# Altium PCB PCB2.PcbDoc (part 1 of 2)
Units mil, origin at the board's own origin, x right, y up, seen from the top; angles counter-clockwise.
Board outline 2933.07 x 1782.28 mil, 4 copper layers (Top Layer, GND, POW, Bottom Layer), stack 23.756 mil thick; 122 components, 169 nets, 601 pads, 330 vias.
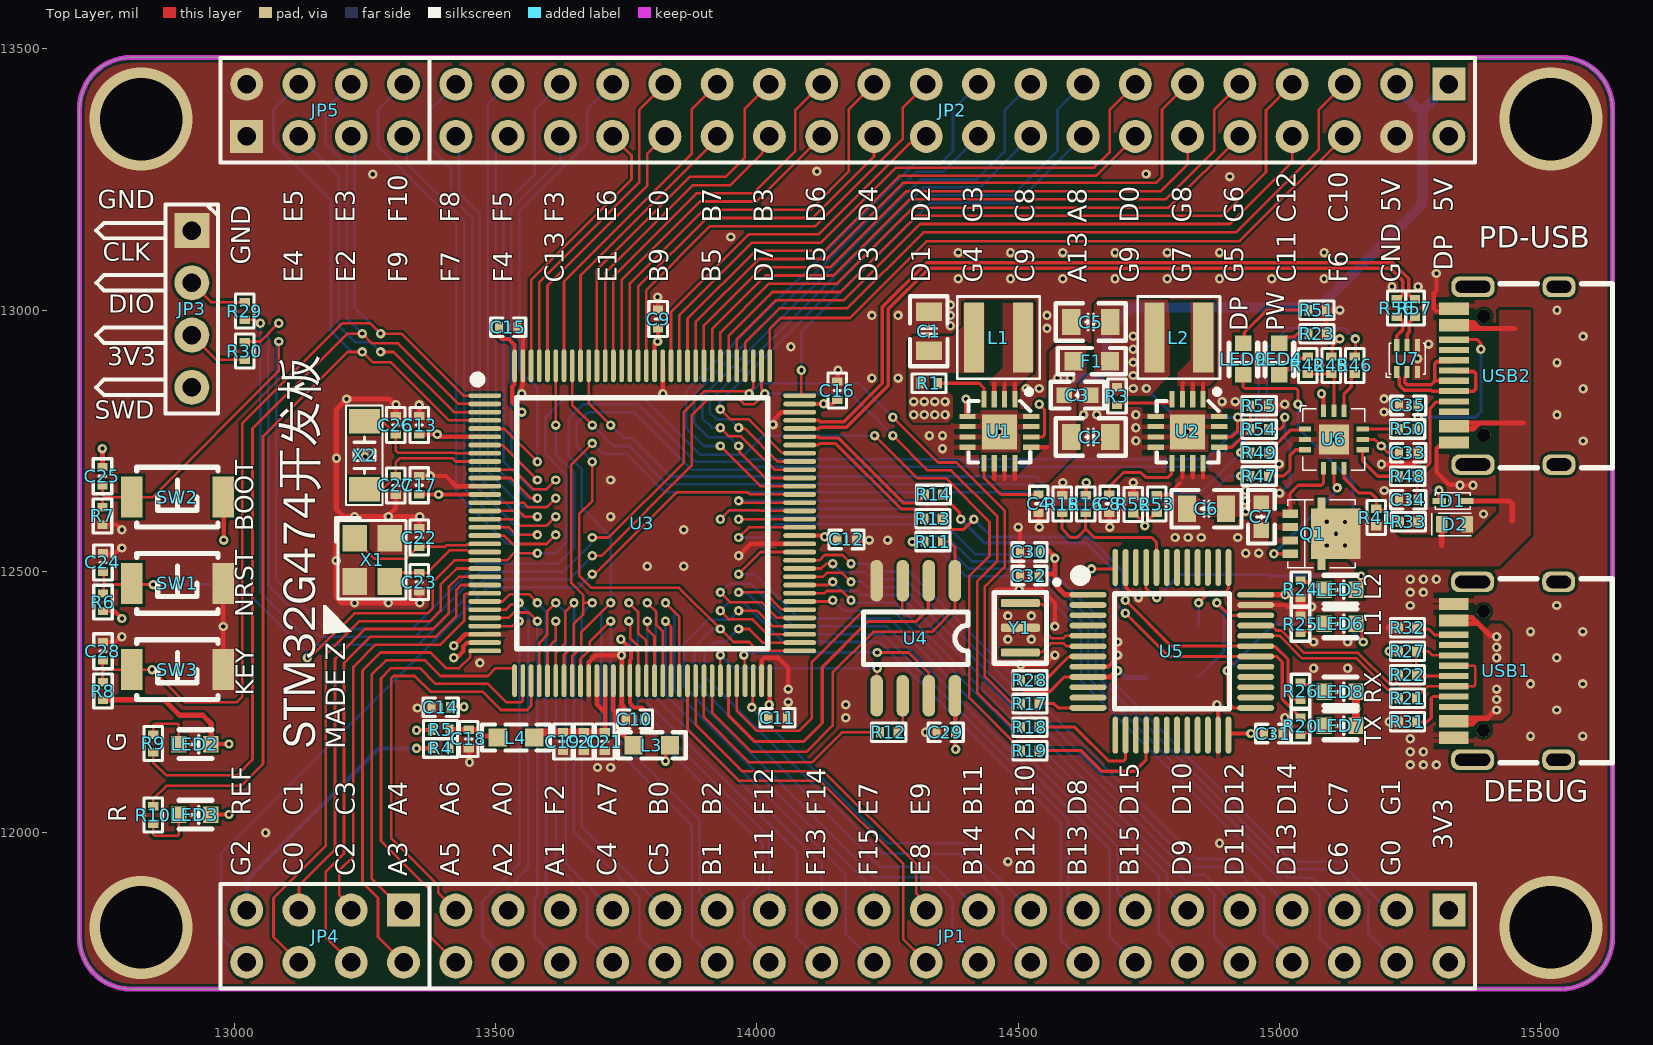
[diagram p0: Top Layer view]
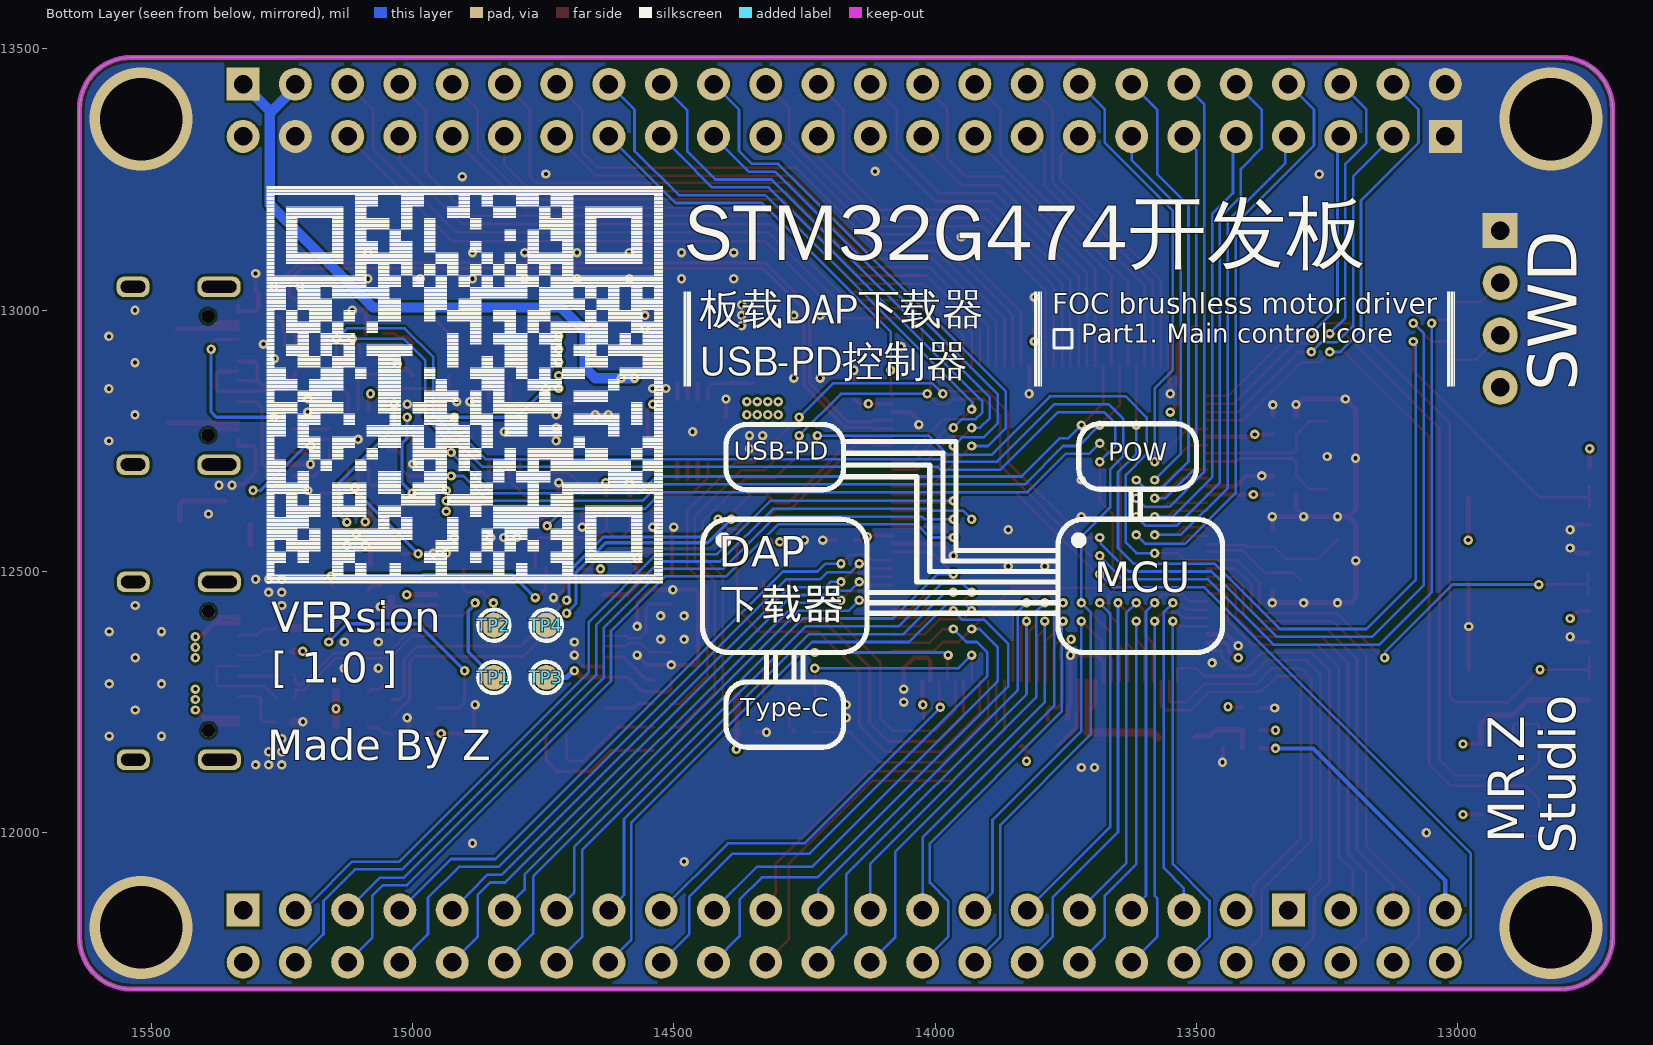
[diagram p1: Bottom Layer view, seen from below]
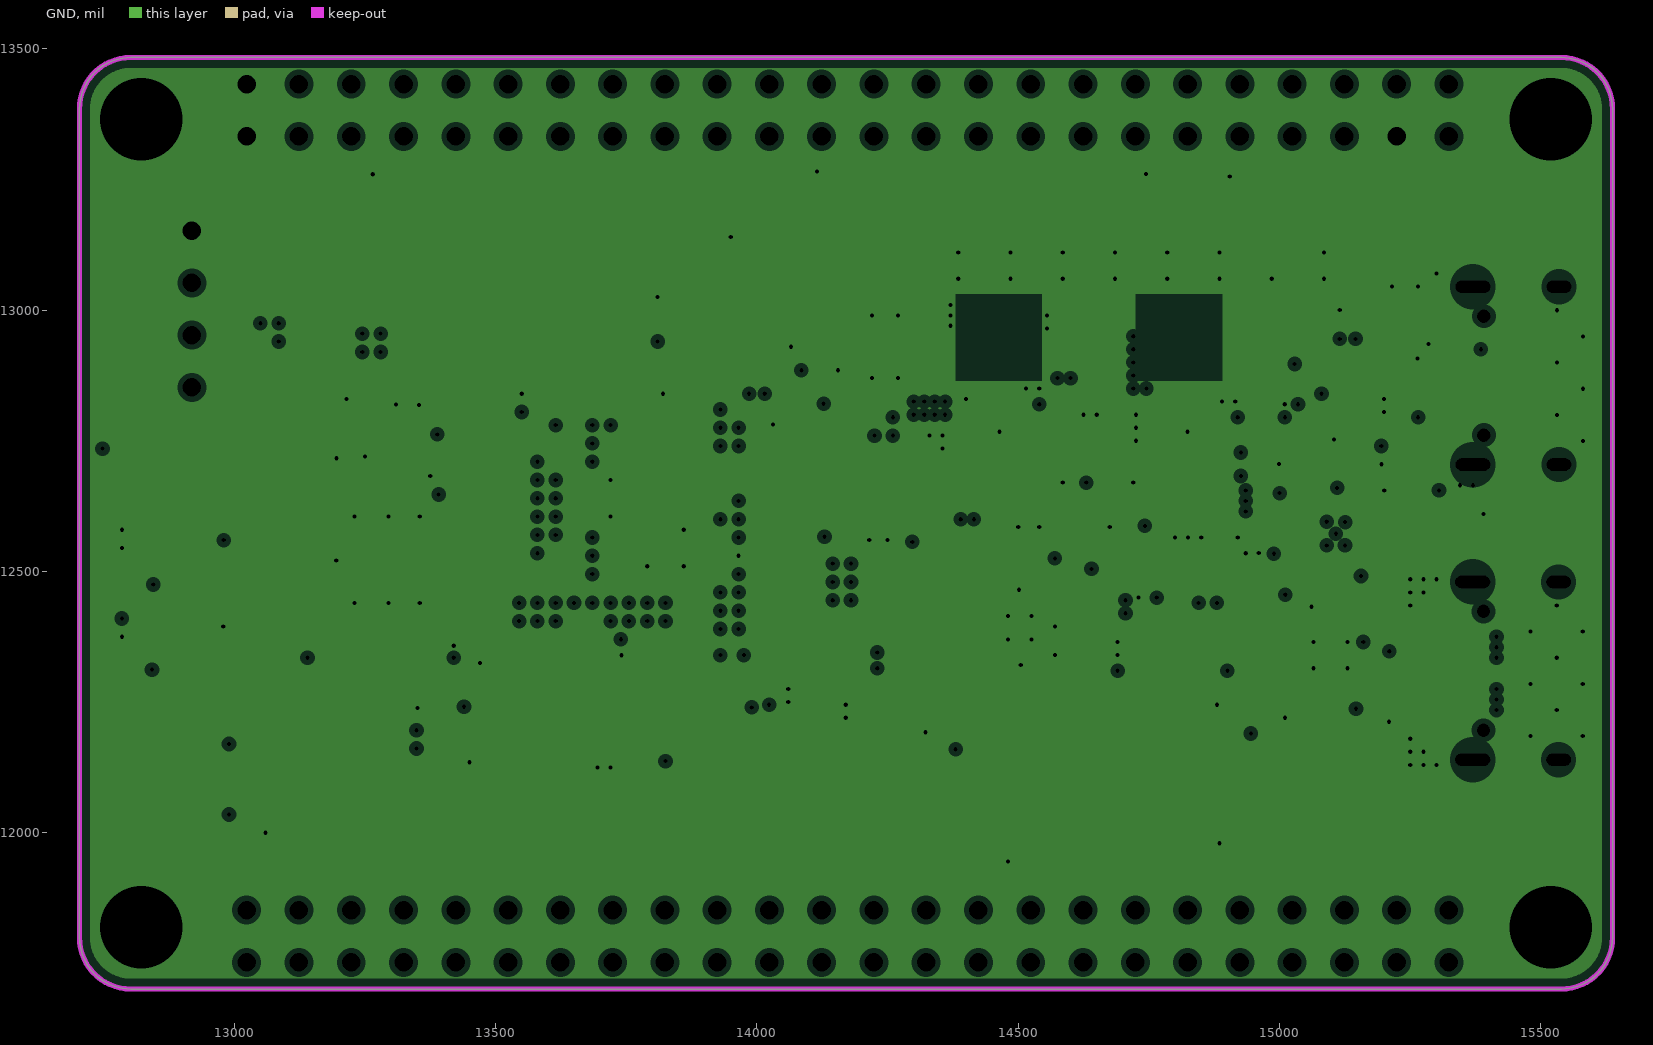
[diagram p2: GND, clearances drawn from the general rule]
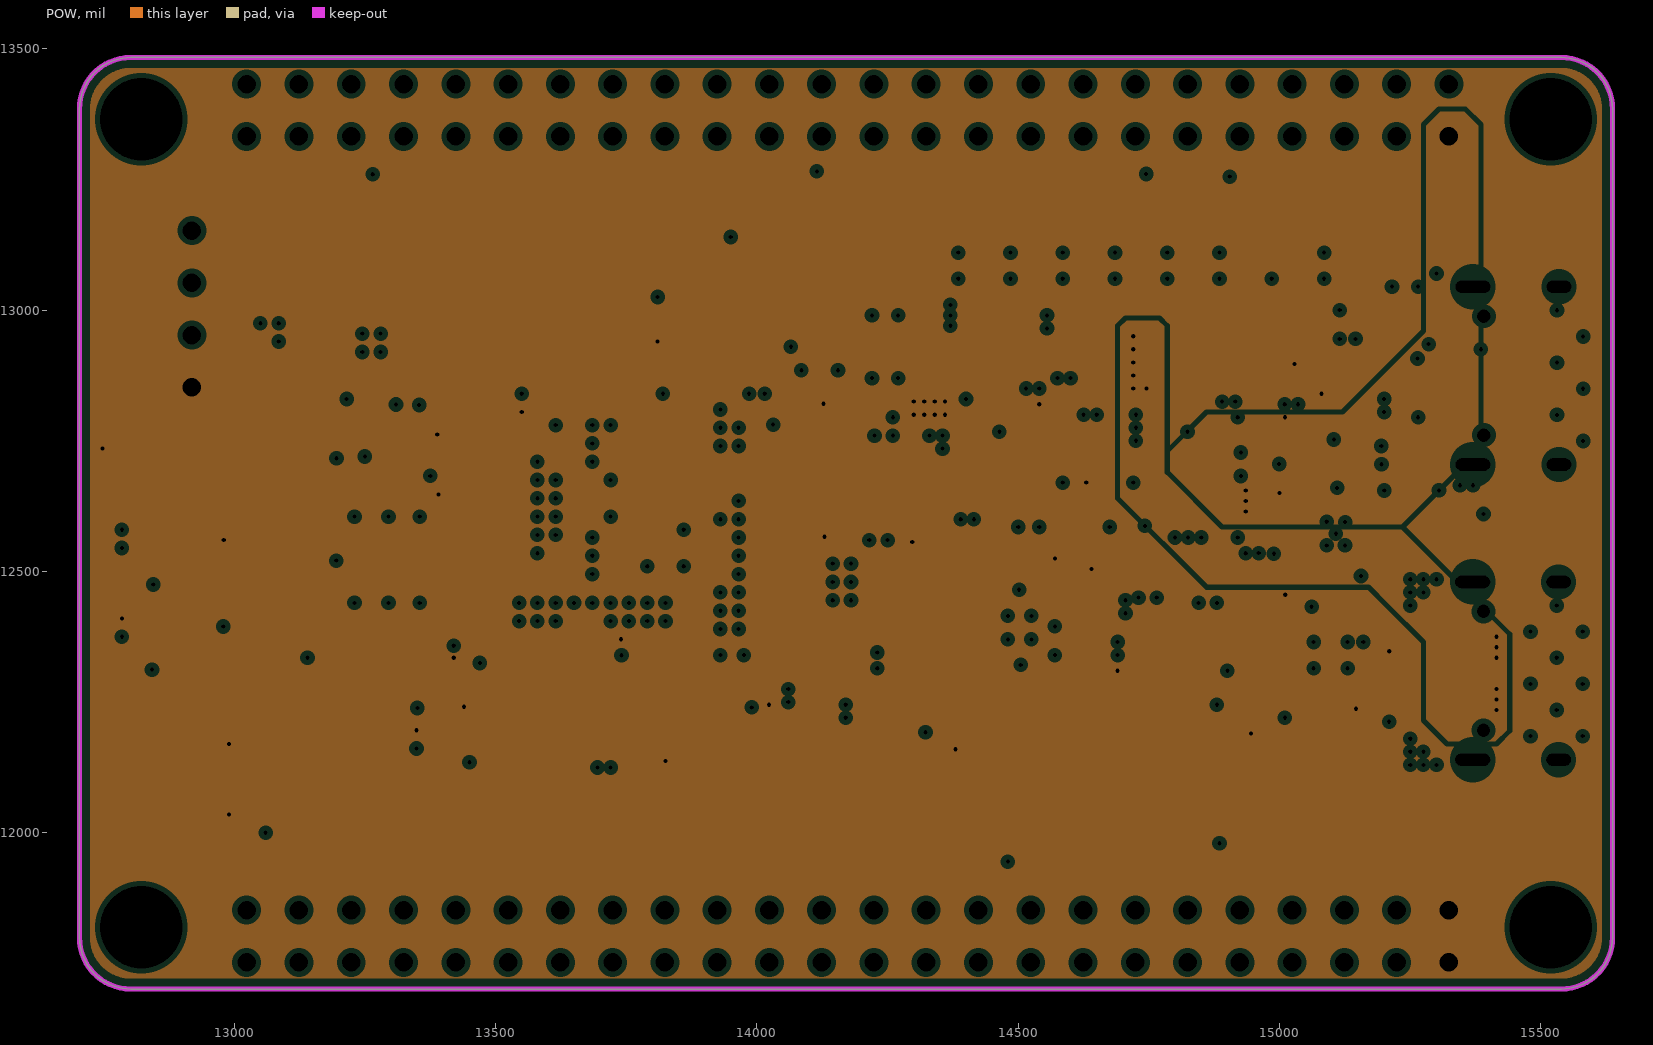
[diagram p3: POW, clearances drawn from the general rule]

## Layer stack, top to bottom
Top Solder: solder mask 0.4, Solder Resist, Dk 3.5
Top Layer: signal copper 1.4
Dielectric 2: prepreg 2.8, PP-006, Dk 4.1
GND: plane copper 1.378, net GND
Dielectric 1: dielectric 12.6, FR-4, Dk 4.8
POW: plane copper 1.378, net (Multiple Nets)
Dielectric 3: prepreg 2.8, PP-006, Dk 4.1
Bottom Layer: signal copper 1.4
Bottom Solder: solder mask 0.4, Solder Resist, Dk 3.5

## Board outline
12703.83,11799.57 ccw(c12802.26,11799.57) 12802.26,11701.14 15538.48,11701.14 ccw(c15538.48,11799.57) 15636.9,11799.57 15636.9,13385 ccw(c15538.48,13385) 15538.48,13483.43 12802.26,13483.43 ccw(c12802.26,13385) 12703.83,13385

## Design rules (kind name [scope] priority, off if disabled: settings)
Clearance Clearance_2 [InNet('USB_N') vs InNet('USB_P')] p1: gap=3 ignorepadtopadclearanceinfootprint=TRUE
Clearance Clearance_1 [InNet('USB_PD_N') vs InNet('USB_PD_P')] p2: gap=3 ignorepadtopadclearanceinfootprint=TRUE
Clearance [All] p3: gap=5 ignorepadtopadclearanceinfootprint=TRUE
ComponentClearance [All] p1: gap=0 collisioncheckmode=3 verticalgap=0 showdistances=FALSE
DiffPairsRouting [All] p1: maxlimit=4 minlimit=4 mostfreqgap=4 toplayer_minwidth=6.89 toplayer_maxwidth=6.89 toplayer_prefwidth=6.89 bottomlayer_minwidth=6.89 bottomlayer_maxwidth=6.89 bottomlayer_prefwidth=6.89 maxuncoupledlength=200
PlaneClearance [All] p1: clearance=10
PlaneConnect [All] p1: planeconnectstyle=Direct reliefexpansion=20 reliefentries=4 reliefconductorwidth=10 reliefairgap=10
PolygonConnect [All] p1: connectstyle=Relief reliefconductorwidth=10 reliefentries=4 polygonreliefangle="90 Angle" airgapwidth=10
RoutingVias [All] p1: holewidth=8 width=18 viastyle="Through Hole" minholewidth=8 minwidth=18 maxholewidth=28 maxwidth=50
SolderMaskExpansion [All] p1: expansion=4 istentingtop=FALSE
Width [All] p1: maxlimit=60 minlimit=5 preferedwidth=8
26 further rules are at their usual default settings.

## Classes and differential pairs
component class POW: C1 C2 C3 C4 C5 C6 C7 C8 L1 L2 R1 R3 R54 R55 U1 U2
component class POW_MCU: C9 C10 C11 C12 C13 C14 C15 C16 C17 C18 C19 C20 C21 L3 L4 R4 R5
component class PD_USB: C33 C34 C35 D1 D2 LED9 Q1 R33 R41 R42 R45 R46 R47 R48 R49 R50 R51 R52 R53 R56 R57 U6 U7 USB2
component class Main: C22 C23 C24 C25 C26 C27 C28 C29 JP1 JP2 JP4 JP5 LED2 LED3 R6 R7 R8 R9 R10 R11 R12 R13 R14 sss SW1 SW2 SW3 U3 U4 X1 X2
component class Debug: C30 C31 C32 F1 JP3 LED4 LED5 LED6 LED7 LED8 R15 R16 R17 R18 R19 R20 R21 R22 R23 R24 R25 R26 R27 R28 R29 R30 R31 R32 TP1 TP2 TP3 TP4 U5 USB1 Y1
differential pair USB_R: +USB_R_P -USB_R_N
differential pair USB: +USB_P -USB_N
differential pair USB_PD: +USB_PD_P -USB_PD_N

## Components (designator, comment, footprint, x,y, rotation, side; value= is the part's Value field where it differs from the comment)
C1 "22uF/16V" "C 0805_L" 14328.83,12959.69 r90 top locked
C2 "10uF/50V" "C 0805_L" 14638.62,12757.28 r180 top locked
C3 "100nF/50V" "C 0603_L" 14613.24,12837.28 r180 top locked
C4 "3.3nF/50V" "C 0402_L" 14538.83,12629.57 r90 top locked
C5 "22uF/16V" "C 0805_L" 14638.62,12977.28 r180 top locked
C6 "10uF/50V" "C 0805_L" 14860,12620 r0 top locked
C7 "100nF/50V" "C 0603_L" 14965,12604.41 r90 top locked
C8 "3.3nF/50V" "C 0402_L" 14673.83,12629.57 r90 top locked
C9 "100nF/16V" "C 0402_L" 13810.83,12983.03 r270 top locked
C10 "100nF/16V" "C 0402_L" 13766.55,12217.28 r0 top locked
C11 "100nF/16V" "C 0402_L" 14039.55,12220.31 r180 top locked
C12 "100nF/16V" "C 0402_L" 14171.55,12561.28 r180 top locked
C13 "1uF/16V" "C 0402_L" 13353.83,12780 r90 top locked
C14 "100nF/16V" "C 0402_L" 13395,12240 r0 top
C15 "100nF/16V" "C 0402_L" 13524.12,12967.29 r180 top
C16 "100nF/16V" "C 0402_L" 14153.83,12846 r270 top locked
C17 "100nF/16V" "C 0402_L" 13353.83,12665 r270 top locked
C18 "100nF/16V" "C 0402_L" 13448.83,12179.57 r90 top locked
C19 "1uF/16V" "C 0402_L" 13628.83,12174.57 r270 top locked
C20 "100nF/16V" "C 0402_L" 13668.83,12174.57 r90 top locked
C21 "100nF/16V" "C 0402_L" 13708.83,12174.57 r90 top locked
C22 "20pF/50V" "C 0402_L" 13353.83,12565 r270 top locked
C23 "20pF/50V" "C 0402_L" 13353.83,12479.57 r90 top locked
C24 "10nF/16V" "C 0402_L" 12748.83,12517.28 r90 top locked
C25 "10nF/16V" "C 0402_L" 12747.83,12682.28 r90 top locked
C26 "7pF/50V" "C 0402_L" 13308.83,12780 r270 top locked
C27 "7pF/50V" "C 0402_L" 13308.83,12664.57 r90 top locked
C28 "10nF/16V" "C 0402_L" 12748.83,12347.28 r90 top locked
C29 "100nF/16V" "C 0402_L" 14361.12,12192.29 r0 top locked
C30 "100nF" "C 0402_L" 14521.12,12537.29 r0 top locked
C31 "100nF" "C 0402_L" 14987.71,12190 r180 top locked
C32 "100nF" "C 0402_L" 14521.12,12492.29 r0 top locked
C33 "100nF/50V" "C 0402_L" 15246,12727.28 r180 top locked
C34 "330pF/50V" "C 0402_L" 15246,12637.29 r0 top locked
C35 "330pF/50V" "C 0402_L" 15246,12817.6 r0 top locked
D1 "BAT54KFILM" BAT54KFILM 15305,12635 r0 top locked
D2 "ESDA25P35-1U1M" ESDA25P35-1U1M 15359.21,12590 r180 top locked
F1 "MSMD200-8V 2A" "FU 0603" 14640.55,12902.28 r180 top locked
JP1 "Header 2X11" HDR2.54-LI-2x20P 14373.83,11802.28 r180 top
JP2 "Header 2X11" HDR2.54-LI-2x20P 14373.83,13382.28 r180 top
JP3 "HDR-1X4" HDR2.54-WI-4P 12918.83,13002.28 r270 top locked
JP4 "Header 4X2" HDR2.54-LI-2x4P 13173.83,11802.28 r180 top
JP5 "Header 4X2" HDR2.54-LI-2x4P 13173.83,13382.28 r0 top
L1 "2.2uH" 电感XFL4020 14508.83,12947.28 r180 top locked
L2 "2.2uH" 电感XFL4020 14853.83,12947.28 r180 top locked
L3 "600R@100MHZ" "L 0603" 13798.83,12167.28 r180 top locked
L4 "600R@100MHZ" "L 0603" 13538.83,12182.28 r0 top locked
LED2 "绿色" LED 12894.04,12169.28 r0 top locked
LED3 "红色" LED 12894.04,12034.28 r0 top locked
LED4 "红色" LED 14999,12937 r270 top locked
LED5 "绿色" LED 15085,12465 r0 top locked
LED6 "绿色" LED 15085,12400 r0 top locked
LED7 "绿色" LED 15085,12205 r0 top locked
LED8 "绿色" LED 15085,12270 r0 top locked
LED9 "红色" LED 14930,12937 r270 top locked
Q1 "STL11N3LLH6" STL11N3LLH6 15098.91,12585.43 r270 top locked
R1 "100K" "R 0402_L" 14330,12860 r180 top
R3 "100K" "R 0402_L" 14688.83,12836.53 r270 top locked
R4 "NC" "R 0402_L" 13393.83,12162.28 r0 top locked
R5 "0" "R 0402_L" 13393.83,12197.28 r0 top locked
R6 "10K" "R 0402_L" 12748.83,12442.28 r270 top locked
R7 "10K" "R 0402_L" 12747.83,12607.28 r270 top locked
R8 "10K" "R 0402_L" 12748.83,12272.28 r270 top locked
R9 "15K" "R 0402_L" 12845,12170 r90 top locked
R10 "15K" "R 0402_L" 12845,12035 r270 top locked
R11 "10K" "R 0402_L" 14336.12,12557.29 r0 top
R12 "22" "R 0402_L" 14251.12,12192.29 r0 top locked
R13 "0" "R 0402_L" 14337.88,12600.86 r180 top
R14 "0" "R 0402_L" 14338.83,12647.28 r180 top
R15 "10K" "R 0402_L" 14583.83,12630 r270 top locked
R16 "10K" "R 0402_L" 14628.83,12630 r270 top locked
R17 "22" "R 0402_L" 14523.08,12247.28 r180 top locked
R18 "22" "R 0402_L" 14523.08,12202.28 r180 top locked
R19 "22" "R 0402_L" 14523.08,12157.28 r180 top locked
R20 "15K" "R 0402_L" 15040.01,12205 r270 top locked
R21 "22" "R 0402_L" 15243.83,12257.29 r0 top locked
R22 "22" "R 0402_L" 15243.83,12302.29 r0 top locked
R23 "15K" "R 0402_L" 15072.71,12955 r180 top locked
R24 "15K" "R 0402_L" 15040,12465.29 r90 top locked
R25 "15K" "R 0402_L" 15040.01,12400 r270 top locked
R26 "15K" "R 0402_L" 15040,12270 r90 top locked
R27 "1K5" "R 0402_L" 15245.79,12347.28 r180 top locked
R28 "10K" "R 0402_L" 14521.12,12292.29 r0 top locked
R29 "0" "R 0402_L" 13020,12997.29 r90 top locked
R30 "0" "R 0402_L" 13020,12922.71 r270 top locked
R31 "10K" "R 0402_L" 15243.83,12212.29 r0 top locked
R32 "10K" "R 0402_L" 15243.83,12392.29 r0 top locked
R33 "2.7k" "R 0402_L" 15247.71,12595 r180 top locked
R41 "10K" "R 0402_L" 15185,12604.25 r270 top locked
R42 "10K" "R 0402_L" 15053.71,12893.35 r90 top locked
R45 "0" "R 0402_L" 15098.71,12893.35 r90 top locked
R46 "0" "R 0402_L" 15143.71,12893.35 r90 top locked
R47 "0" "R 0402_L" 14960,12682.6 r0 top locked
R48 "0" "R 0402_L" 15244.04,12682.29 r0 top locked
R49 "0" "R 0402_L" 14960,12727.6 r0 top locked
R50 "0" "R 0402_L" 15244.04,12772.6 r0 top locked
R51 "15K" "R 0402_L" 15072.71,13000 r180 top locked
R52 "40.2K" "R 0402_L" 14720,12627.29 r90 top locked
R53 "200K" "R 0402_L" 14765,12630 r270 top locked
R54 "0" "R 0402_L" 14961.96,12772.28 r180 top locked
R55 "0" "R 0402_L" 14961.96,12817.28 r180 top locked
R56 "22" "R 0402_L" 15223.83,13005 r270 top locked
R57 "22" "R 0402_L" 15258.83,13005 r270 top locked
SW1 "3x6x5" 按钮 12803.63,12477.28 r0 top locked
SW2 "3x6x5" 按钮 12803.63,12642.28 r0 top locked
SW3 "3x6x5" 按钮 12803.63,12312.28 r0 top locked
TP1 "TEST" "TEST 1.2" 14843.83,12297.28 r0 bottom locked
TP2 "TEST" "TEST 1.2" 14843.83,12397.28 r0 bottom locked
TP3 "TEST" "TEST 1.2" 14743.83,12297.28 r90 bottom locked
TP4 "TEST" "TEST 1.2" 14743.83,12397.28 r0 bottom locked
U1 "开关电源 TPS62132-3.3V" QFN16 14463.83,12767.28 r270 top locked
U2 "开关电源 TPS62133-5V" QFN16 14823.83,12767.28 r270 top locked
U3 "STM32G474QET6" LQFP128-14*14 13780.37,12592.28 r270 top locked
U4 "QSPI-W25Q64IV" SOP8 14379.83,12481.28 r270 top locked
U5 "STM32F103CBT6" LQFP48-7*7 14793.83,12347.28 r270 top locked
U6 "TCPP01-M12" TCPP01-M12 15084.03,12807.72 r0 top locked
U7 "ECMF02-2AMX6" ECMF02-2AMX6 15243.83,12907.28 r90 top locked
USB1 "Type-C" Type-c接口 15413.2,12121.96 r90 top locked
USB2 "Type-C" Type-c接口 15413.79,12686.63 r90 top locked
X1 "24M" "OSC 3225-4P" 13263.83,12522.28 r270 top locked
X2 "32.768KHZ" "OSC 3215-2P" 13248.83,12722.28 r90 top locked
Y1 "8MHz" 三脚晶振 14503.83,12439.53 r270 top locked

## Footprints (in the part's own frame and the unit in brackets; to place one, negate y for a bottom-side part, rotate by r counter-clockwise, add the part's x,y. Pads: shape width x height; smd on the part's side, far side on the other; paste and mask are expansions set on the pad)
BAT54KFILM [mm]
  rect 0.65x0.3 smd: 1(1.35,0) 2(0,0)
  silkscreen extent -0.18,-0.4 1.52,0.4
"C 0402_L" [mm] "无极性贴片电容"
  rect 0.4x0.5 smd: 1(-0.45,0) 2(0.45,0)
  silkscreen extent -0.85,-0.45 0.85,0.45, body extent -0.5,-0.26 0.5,0.26, height 0.53
"C 0603_L" [mil] "无极性贴片电容"
  rect 30x30 smd: 1(-25.59,0) 2(25.59,0)
  silkscreen extent -51,-26 51,26, body extent -31,-16 31,16, height 32
"C 0805_L" [mil] "无极性贴片电容"
  rect 35x50 smd: 1(-37.4,0) 2(37.4,0)
  silkscreen extent -67,-36 67,36, body extent -39,-24 39,24, height 20
ECMF02-2AMX6 [mm]
  rect 0.6x0.25 smd: 1(-0.65,0.5) 2(-0.65,0) 3(-0.65,-0.5) 4(0.65,-0.5) 5(0.65,0) 6(0.65,0.5)
  silkscreen extent -0.9,-0.87 0.75,1.02
ESDA25P35-1U1M [mm]
  rect 0.55x0.8 smd: 1(0,0) 2(1.25,0)
  silkscreen extent -0.18,-0.55 1.73,0.55
"FU 0603" [mil] "贴片保险丝"
  rect 35x35 smd: 1(-35,0) 2(35,0)
  silkscreen extent -65,-25 65,25, body extent -31,-16 31,16, height 20
HDR2.54-LI-2x4P [mm] "双排排针，4x2脚"
  rect 1.6x1.6 hole 0.9: 1(-3.81,-1.27)
  round 1.6 hole 0.9: 2(-3.81,1.27) 3(-1.27,-1.27) 4(-1.27,1.27) 5(1.27,-1.27) 6(1.27,1.27) 7(3.81,-1.27) 8(3.81,1.27)
  silkscreen extent -5.08,-2.54 5.08,2.54, body extent -5.08,-2.54 5.08,2.54, height 8.5
HDR2.54-LI-2x20P [mm] "双排排针，20x2脚"
  rect 1.6x1.6 hole 0.9: 1(-24.13,-1.27)
  round 1.6 hole 0.9: 2(-24.13,1.27) 3(-21.59,-1.27) 4(-21.59,1.27) 5(-19.05,-1.27) 6(-19.05,1.27) 7(-16.51,-1.27) 8(-16.51,1.27) 9(-13.97,-1.27) 10(-13.97,1.27) 11(-11.43,-1.27) 12(-11.43,1.27) 13(-8.89,-1.27) 14(-8.89,1.27) 15(-6.35,-1.27) 16(-6.35,1.27) 17(-3.81,-1.27) 18(-3.81,1.27) 19(-1.27,-1.27) 20(-1.27,1.27) 21(1.27,-1.27) 22(1.27,1.27) 23(3.81,-1.27) 24(3.81,1.27) 25(6.35,-1.27) 26(6.35,1.27) 27(8.89,-1.27) 28(8.89,1.27) 29(11.43,-1.27) 30(11.43,1.27) 31(13.97,-1.27) 32(13.97,1.27) 33(16.51,-1.27) 34(16.51,1.27) 35(19.05,-1.27) 36(19.05,1.27) 37(21.59,-1.27) 38(21.59,1.27) 39(24.13,-1.27) 40(24.13,1.27)
  silkscreen extent -25.4,-2.54 25.4,2.54, body extent -25.4,-2.54 25.4,2.54, height 8.5
HDR2.54-WI-4P [mm] "弯脚排针，4脚"
  rect 1.7x1.7 hole 0.9: 1(-3.81,0)
  round 1.7 hole 0.9: 2(-1.27,0) 3(1.27,0) 4(3.81,0)
  body extent -5.08,-7.77 5.08,1.27, height 4.85
"L 0603" [mil] "小功率贴片电感"
  rect 35x35 smd: 1(-35,0) 2(35,0)
  silkscreen extent -65,-25 65,25, body extent -31,-16 31,16, height 31
LED [mm]
  rect 0.75x0.8 smd: 1(1.55,0) 2(0,0)
  silkscreen extent 0,-0.69 1.6,0.71
LQFP48-7*7 [mm] "7x7mm，0.5mm"
  oval 0.279x1.8 smd: 1(-2.75,-4.075) 2(-2.25,-4.075) 3(-1.75,-4.075) 4(-1.25,-4.075) 5(-0.75,-4.075) 6(-0.25,-4.075) 7(0.25,-4.075) 8(0.75,-4.075) 9(1.25,-4.075) 10(1.75,-4.075) 11(2.25,-4.075) 12(2.75,-4.075) 25(2.75,4.075) 26(2.25,4.075) 27(1.75,4.075) 28(1.25,4.075) 29(0.75,4.075) 30(0.25,4.075) 31(-0.25,4.075) 32(-0.75,4.075) 33(-1.25,4.075) 34(-1.75,4.075) 35(-2.25,4.075) 36(-2.75,4.075)
  oval 1.8x0.279 smd: 13(4.075,-2.75) 14(4.075,-2.25) 15(4.075,-1.75) 16(4.075,-1.25) 17(4.075,-0.75) 18(4.075,-0.25) 19(4.075,0.25) 20(4.075,0.75) 21(4.075,1.25) 22(4.075,1.75) 23(4.075,2.25) 24(4.075,2.75) 37(-4.075,2.75) 38(-4.075,2.25) 39(-4.075,1.75) 40(-4.075,1.25) 41(-4.075,0.75) 42(-4.075,0.25) 43(-4.075,-0.25) 44(-4.075,-0.75) 45(-4.075,-1.25) 46(-4.075,-1.75) 47(-4.075,-2.25) 48(-4.075,-2.75)
  silkscreen extent -3.93,-4.69 2.79,2.79, body extent -4.5,-4.5 4.5,4.5, height 1.45
LQFP128-14*14 [mm] "14x14mm, 0.4mm（一升设计）"
  oval 0.23x1.6 smd: 1(-6.2,-7.648) 2(-5.8,-7.648) 3(-5.4,-7.648) 4(-5,-7.648) 5(-4.6,-7.648) 6(-4.2,-7.648) 7(-3.8,-7.648) 8(-3.4,-7.648) 9(-3,-7.648) 10(-2.6,-7.648) 11(-2.2,-7.648) 12(-1.8,-7.648) 13(-1.4,-7.648) 14(-1,-7.648) 15(-0.6,-7.648) 16(-0.2,-7.648) 17(0.2,-7.648) 18(0.6,-7.648) 19(1,-7.648) 20(1.4,-7.648) 21(1.8,-7.648) 22(2.2,-7.648) 23(2.6,-7.648) 24(3,-7.648) 25(3.4,-7.648) 26(3.8,-7.648) 27(4.2,-7.648) 28(4.6,-7.648) 29(5,-7.648) 30(5.4,-7.648) 31(5.8,-7.648) 32(6.2,-7.648) 65(6.2,7.653) 66(5.8,7.653) 67(5.4,7.653) 68(5,7.653) 69(4.6,7.653) 70(4.2,7.653) 71(3.8,7.653) 72(3.4,7.653) 73(3,7.653) 74(2.6,7.653) 75(2.2,7.653) 76(1.8,7.653) 77(1.4,7.653) 78(1,7.653) 79(0.6,7.653) 80(0.2,7.653) 81(-0.2,7.653) 82(-0.6,7.653) 83(-1,7.653) 84(-1.4,7.653) 85(-1.8,7.653) 86(-2.2,7.653) 87(-2.6,7.653) 88(-3,7.653) 89(-3.4,7.653) 90(-3.8,7.653) 91(-4.2,7.653) 92(-4.6,7.653) 93(-5,7.653) 94(-5.4,7.653) 95(-5.8,7.653) 96(-6.2,7.653)
  oval 1.6x0.23 smd: 33(7.651,-6.198) 34(7.651,-5.798) 35(7.651,-5.398) 36(7.651,-4.998) 37(7.651,-4.598) 38(7.651,-4.198) 39(7.651,-3.798) 40(7.651,-3.398) 41(7.651,-2.998) 42(7.651,-2.598) 43(7.651,-2.198) 44(7.651,-1.798) 45(7.651,-1.398) 46(7.651,-0.998) 47(7.651,-0.598) 48(7.651,-0.198) 49(7.651,0.202) 50(7.651,0.602) 51(7.651,1.002) 52(7.651,1.402) 53(7.651,1.802) 54(7.651,2.202) 55(7.651,2.602) 56(7.651,3.002) 57(7.651,3.402) 58(7.651,3.802) 59(7.651,4.202) 60(7.651,4.602) 61(7.651,5.002) 62(7.651,5.402) 63(7.651,5.802) 64(7.651,6.202) 97(-7.651,6.202) 98(-7.651,5.802) 99(-7.651,5.402) 100(-7.651,5.002) 101(-7.651,4.602) 102(-7.651,4.202) 103(-7.651,3.802) 104(-7.651,3.402) 105(-7.651,3.002) 106(-7.651,2.602) 107(-7.651,2.202) 108(-7.651,1.802) 109(-7.651,1.402) 110(-7.651,1.002) 111(-7.651,0.602) 112(-7.651,0.202) 113(-7.651,-0.198) 114(-7.651,-0.598) 115(-7.651,-0.998) 116(-7.651,-1.398) 117(-7.651,-1.798) 118(-7.651,-2.198) 119(-7.651,-2.598) 120(-7.651,-2.998) 121(-7.651,-3.398) 122(-7.651,-3.798) 123(-7.651,-4.198) 124(-7.651,-4.598) 125(-7.651,-4.998) 126(-7.651,-5.398) 127(-7.651,-5.798) 128(-7.651,-6.198)
  silkscreen extent -7.11,-8.13 6.1,6.1, body extent -8,-8 8,8, height 1.45
"OSC 3215-2P" [mm] "3.2*1.5*0.6mm(长宽高)"
  rect 1.2x1.5 smd: 1(-1.65,0) 2(1.65,0)
  silkscreen extent -2.41,-0.89 2.41,0.89, body extent -1.6,-0.75 1.6,0.75, height 0.61